# EAGLE board Mk4 Final Panel 8up 2x4 (EAGLE 9.0.1), part 23 of 23
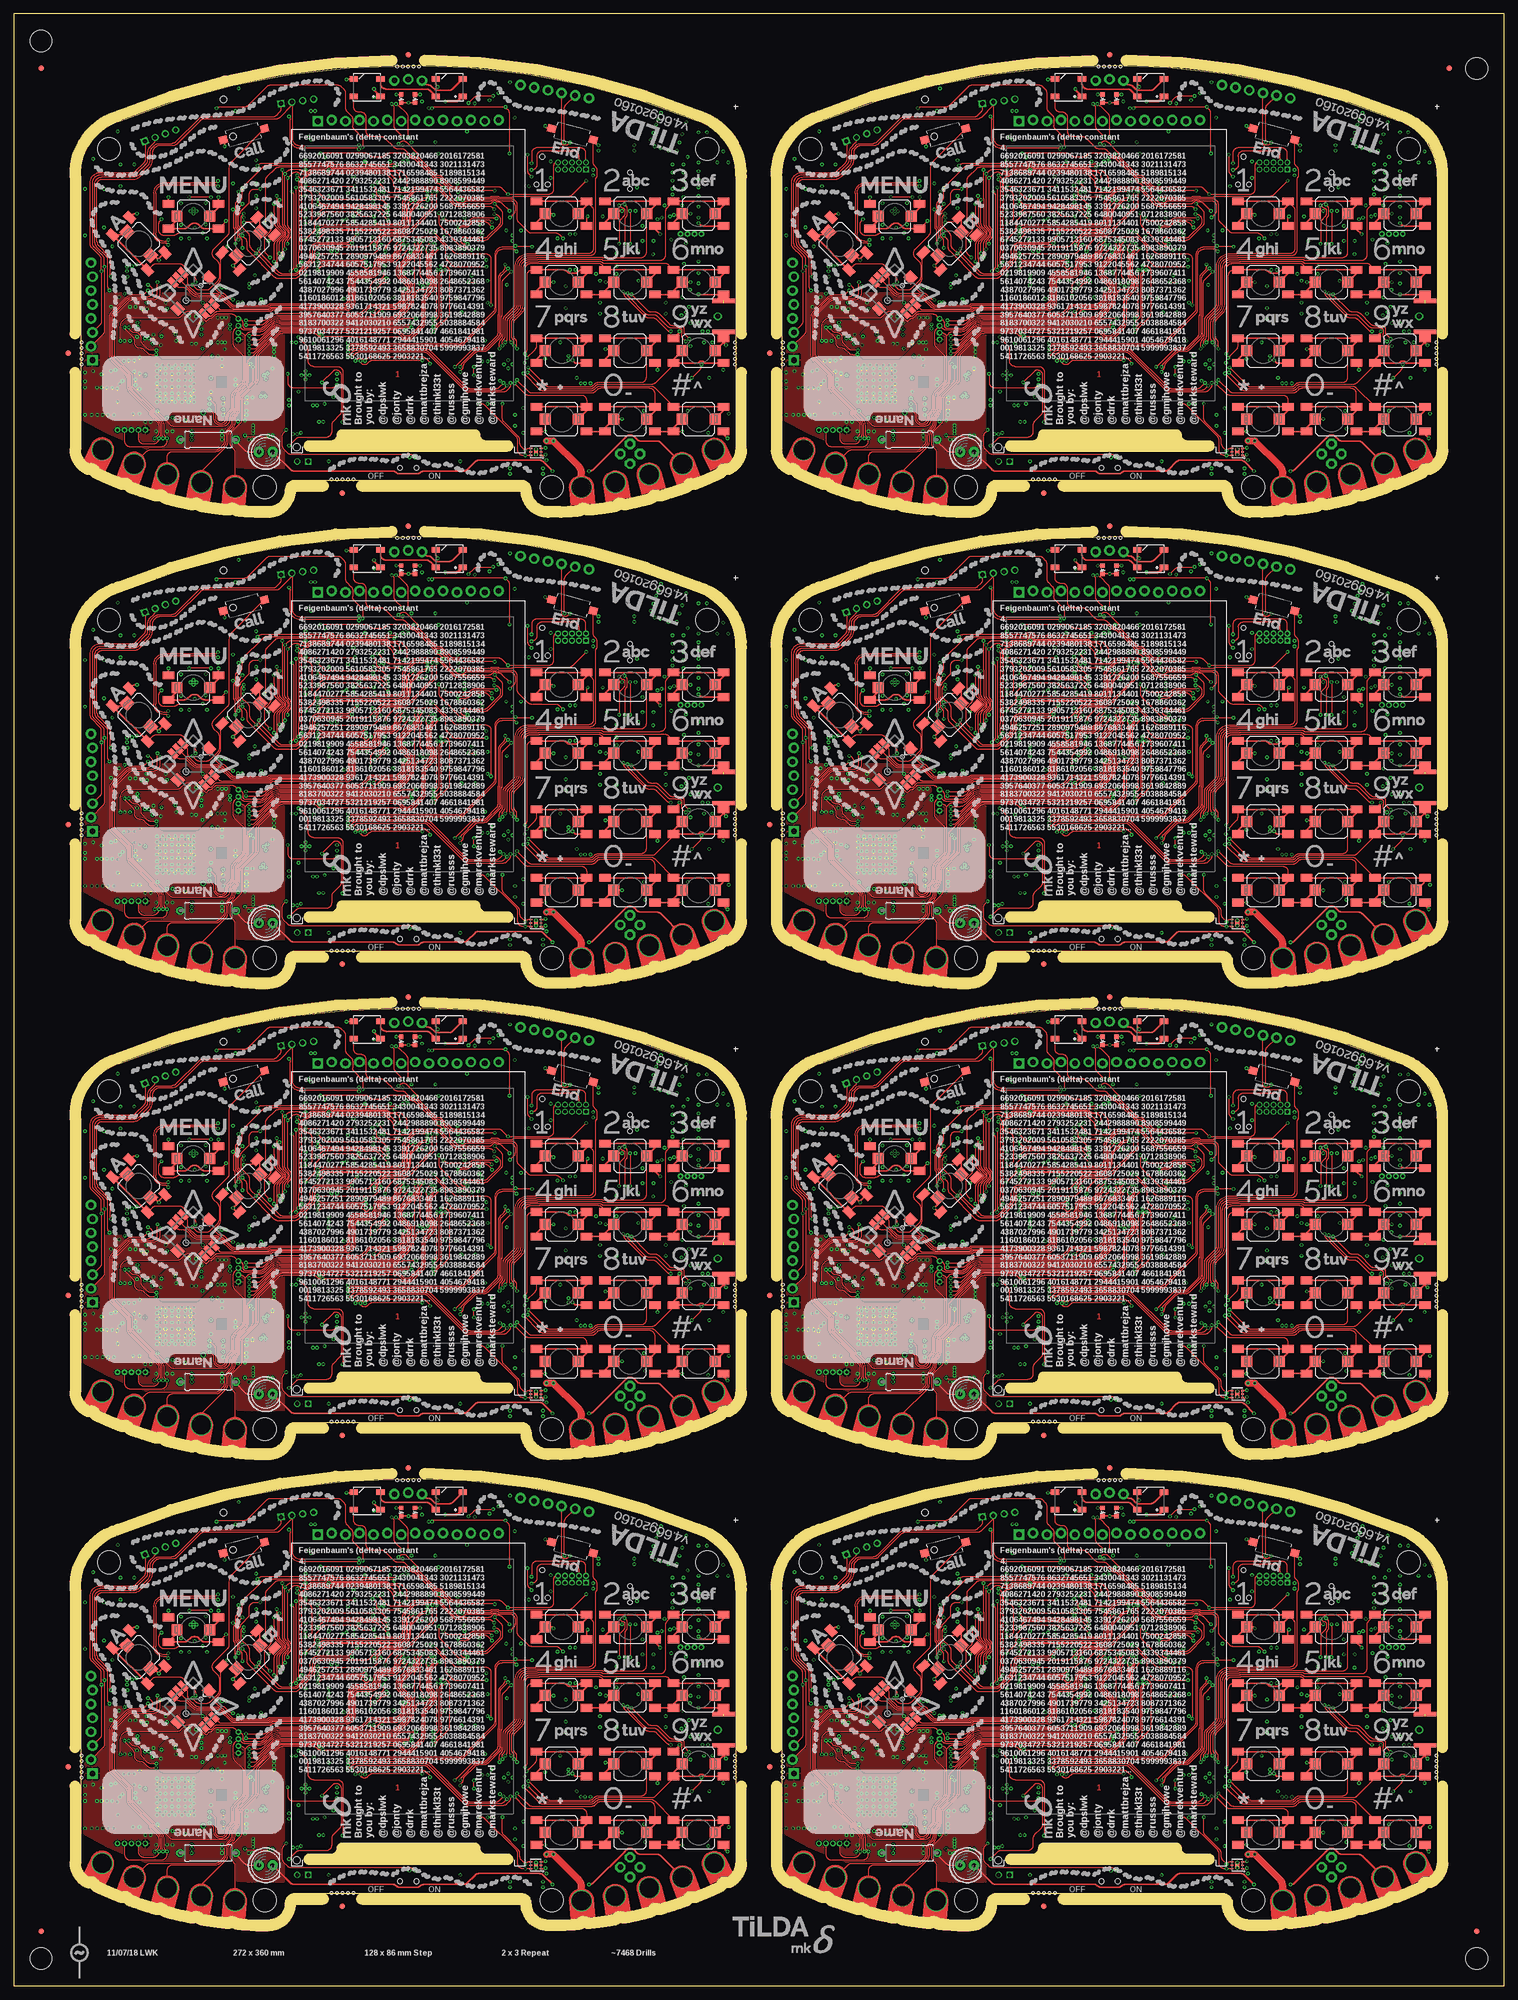
[diagram p0: board, top side]
## Tracks (layer width: path | path; a pad name or v marks a point on that pad's centre or on a via) (continued)
VBATT7  (via drill 0.3) (continued)
  Top 0.5: LED44.1 209.34,344.29 arc-45 208.64,344 v206.75,344 | LED43.1 193.75,346.1 v193.75,346.25
  3V3@2 0.5: 199.25,346.25 204.5,346.25 v206.75,344
  3V3@2 1: JP65.2 200,347 199.25,346.25 v193.75,346.25 175.5,346.25 172.5,343.25 172.5,336 171,334.5 v171,310.65 v171,310.05 | v175.25,283 v174.5,283 174.5,288.41 175.2,289.11 175.2,290.55 172.62,293.12 172.62,294.62 173.5,295.5 v173.5,307.3 173.5,307.5 v173.15,307.85
  Bottom 0.25: IC141.1 170.96,283.35 arc45 170.26,283.06 v170.2,283
  Bottom 0.4: TP148.TP v180.4,283.5
  Bottom 0.5: C759.1 194.62,346.25 v193.75,346.25
  Bottom 1: v171,310.65 v171,310.05 171,310 v173.15,307.85 173.5,307.5 v173.5,307.3
  other vias: 179.75,283.25 179,283.25 233.25,292.5 230.75,293.5 232.25,292.5 231.5,292.5
  pour Bottom (no thermals): 179.35,284.4 180.8,284.4 180.8,283.05 arc-90 180.3,282.55 174.65,282.55 174.65,283.5 178.85,283.5 arc90 179.35,284
  pour Bottom (no thermals): 233.09,292.25 231.25,292.25 arc-90 230.25,293.25 230.25,294 arc-90 231.25,295 241,295 arc90 242,296 242,299.25 arc-90 243,300.25 243.25,300.25 243.5,300.5 243.5,303 245,303 245,300.8 arc-90 244,299.8 243.75,299.8 arc90 242.75,298.8 242.75,294 arc-90 241.75,293 234.66,293 arc45 233.96,292.71 233.79,292.54 arc-45
  pour 3V3@2 (no thermals): 232,295.5 234.5,295.5 235.5,294.5 235.5,293 235,292.5 225.5,292.5 223.5,290.5 182,290.5 180.8,289.4 180.8,283.6 180.3,283 179,283 178.75,283.25 178.75,290.5 180.25,292 222,292 224.5,294.5 231,294.5
  pour Bottom (no thermals): 172.2,283.9 172.2,283.8 172.75,283.8 173.1,283.45 173.1,283.05 arc90 173.6,282.55 174.8,282.55 174.8,283.5 174.15,283.5 173.8,283.85 173,283.85 172.95,283.9
VBUS  (via drill 0.3)
  Top 0.2: v89.75,84.95 76.55,84.95 v76.35,84.75
  Top 0.22: v90.5,76.5 90.5,83.79 arc45 90.21,84.49 v89.75,84.95
  3V3@2 0.2: v57.5,40.75 52.75,40.75 v51.5,42
  3V3@2 0.75: 51,42 51,43.5 54.25,46.75 v54.25,79 v53.75,79.5 | v51.5,42 51,42 | 51,42 v50.75,42 | v54.25,84.25 75.25,84.25 v75.75,84.75 v76.35,84.75
  Bottom 0.15: v89.75,84.95 89.7,85 IC7.5
  Bottom 0.2: LED6.A v57.5,40.75
  Bottom 0.22: IC1.96 78.2,73.5 arc-90 79.2,74.5 89.5,74.5 arc90 90.5,75.5 v90.5,76.5
  Bottom 0.5: TP7.TP v75.75,84.75
  Bottom 0.75: L2.2 v75.75,84.75 | v54.25,79 53.79,79.46 arc-45 53.5,80.16 53.5,83.09 arc-45 53.79,83.79 v54.25,84.25 v55,84.25
  pour Bottom (no thermals): 52.05,37.7 52.05,41.95 51.65,42.35 50.65,42.35 50.25,41.95 50.25,37.8 50.85,37.2 51.6,37.2 51.6,37.7
VBUS1  (via drill 0.3)
  Top 0.2: v217.75,84.95 204.55,84.95 v204.35,84.75
  Top 0.22: v218.5,76.5 218.5,83.79 arc45 218.21,84.49 v217.75,84.95
  3V3@2 0.2: v185.5,40.75 180.75,40.75 v179.5,42
  3V3@2 0.75: 179,42 179,43.5 182.25,46.75 v182.25,79 v181.75,79.5 | v179.5,42 179,42 | 179,42 v178.75,42 | v182.25,84.25 203.25,84.25 v203.75,84.75 v204.35,84.75
  Bottom 0.15: v217.75,84.95 217.7,85 IC23.5
  Bottom 0.2: LED12.A v185.5,40.75
  Bottom 0.22: IC20.96 206.2,73.5 arc-90 207.2,74.5 217.5,74.5 arc90 218.5,75.5 v218.5,76.5
  Bottom 0.5: TP26.TP v203.75,84.75
  Bottom 0.75: L10.2 v203.75,84.75 | v182.25,79 181.79,79.46 arc-45 181.5,80.16 181.5,83.09 arc-45 181.79,83.79 v182.25,84.25 v183,84.25
  pour Bottom (no thermals): 180.05,37.7 180.05,41.95 179.65,42.35 178.65,42.35 178.25,41.95 178.25,37.8 178.85,37.2 179.6,37.2 179.6,37.7
VBUS2  (via drill 0.3)
  Top 0.2: v89.75,170.95 76.55,170.95 v76.35,170.75
  Top 0.22: v90.5,162.5 90.5,169.79 arc45 90.21,170.49 v89.75,170.95
  3V3@2 0.2: v57.5,126.75 52.75,126.75 v51.5,128
  3V3@2 0.75: 51,128 51,129.5 54.25,132.75 v54.25,165 v53.75,165.5 | v51.5,128 51,128 | 51,128 v50.75,128 | v54.25,170.25 75.25,170.25 v75.75,170.75 v76.35,170.75
  Bottom 0.15: v89.75,170.95 89.7,171 IC41.5
  Bottom 0.2: LED18.A v57.5,126.75
  Bottom 0.22: IC38.96 78.2,159.5 arc-90 79.2,160.5 89.5,160.5 arc90 90.5,161.5 v90.5,162.5
  Bottom 0.5: TP45.TP v75.75,170.75
  Bottom 0.75: L19.2 v75.75,170.75 | v54.25,165 53.79,165.46 arc-45 53.5,166.16 53.5,169.09 arc-45 53.79,169.79 v54.25,170.25 v55,170.25
  pour Bottom (no thermals): 52.05,123.7 52.05,127.95 51.65,128.35 50.65,128.35 50.25,127.95 50.25,123.8 50.85,123.2 51.6,123.2 51.6,123.7
VBUS3  (via drill 0.3)
  Top 0.2: v217.75,170.95 204.55,170.95 v204.35,170.75
  Top 0.22: v218.5,162.5 218.5,169.79 arc45 218.21,170.49 v217.75,170.95
  3V3@2 0.2: v185.5,126.75 180.75,126.75 v179.5,128
  3V3@2 0.75: 179,128 179,129.5 182.25,132.75 v182.25,165 v181.75,165.5 | v179.5,128 179,128 | 179,128 v178.75,128 | v182.25,170.25 203.25,170.25 v203.75,170.75 v204.35,170.75
  Bottom 0.15: v217.75,170.95 217.7,171 IC59.5
  Bottom 0.2: LED24.A v185.5,126.75
  Bottom 0.22: IC56.96 206.2,159.5 arc-90 207.2,160.5 217.5,160.5 arc90 218.5,161.5 v218.5,162.5
  Bottom 0.5: TP64.TP v203.75,170.75
  Bottom 0.75: L28.2 v203.75,170.75 | v182.25,165 181.79,165.46 arc-45 181.5,166.16 181.5,169.09 arc-45 181.79,169.79 v182.25,170.25 v183,170.25
  pour Bottom (no thermals): 180.05,123.7 180.05,127.95 179.65,128.35 178.65,128.35 178.25,127.95 178.25,123.8 178.85,123.2 179.6,123.2 179.6,123.7
VBUS4  (via drill 0.3)
  Top 0.2: v89.75,256.95 76.55,256.95 v76.35,256.75
  Top 0.22: v90.5,248.5 90.5,255.79 arc45 90.21,256.49 v89.75,256.95
  3V3@2 0.2: v57.5,212.75 52.75,212.75 v51.5,214
  3V3@2 0.75: 51,214 51,215.5 54.25,218.75 v54.25,251 v53.75,251.5 | v51.5,214 51,214 | 51,214 v50.75,214 | v54.25,256.25 75.25,256.25 v75.75,256.75 v76.35,256.75
  Bottom 0.15: v89.75,256.95 89.7,257 IC77.5
  Bottom 0.2: LED30.A v57.5,212.75
  Bottom 0.22: IC74.96 78.2,245.5 arc-90 79.2,246.5 89.5,246.5 arc90 90.5,247.5 v90.5,248.5
  Bottom 0.5: TP83.TP v75.75,256.75
  Bottom 0.75: L37.2 v75.75,256.75 | v54.25,251 53.79,251.46 arc-45 53.5,252.16 53.5,255.09 arc-45 53.79,255.79 v54.25,256.25 v55,256.25
  pour Bottom (no thermals): 52.05,209.7 52.05,213.95 51.65,214.35 50.65,214.35 50.25,213.95 50.25,209.8 50.85,209.2 51.6,209.2 51.6,209.7
VBUS5  (via drill 0.3)
  Top 0.2: v217.75,256.95 204.55,256.95 v204.35,256.75
  Top 0.22: v218.5,248.5 218.5,255.79 arc45 218.21,256.49 v217.75,256.95
  3V3@2 0.2: v185.5,212.75 180.75,212.75 v179.5,214
  3V3@2 0.75: 179,214 179,215.5 182.25,218.75 v182.25,251 v181.75,251.5 | v179.5,214 179,214 | 179,214 v178.75,214 | v182.25,256.25 203.25,256.25 v203.75,256.75 v204.35,256.75
  Bottom 0.15: v217.75,256.95 217.7,257 IC95.5
  Bottom 0.2: LED36.A v185.5,212.75
  Bottom 0.22: IC92.96 206.2,245.5 arc-90 207.2,246.5 217.5,246.5 arc90 218.5,247.5 v218.5,248.5
  Bottom 0.5: TP102.TP v203.75,256.75
  Bottom 0.75: L46.2 v203.75,256.75 | v182.25,251 181.79,251.46 arc-45 181.5,252.16 181.5,255.09 arc-45 181.79,255.79 v182.25,256.25 v183,256.25
  pour Bottom (no thermals): 180.05,209.7 180.05,213.95 179.65,214.35 178.65,214.35 178.25,213.95 178.25,209.8 178.85,209.2 179.6,209.2 179.6,209.7
VBUS6  (via drill 0.3)
  Top 0.2: v89.75,342.95 76.55,342.95 v76.35,342.75
  Top 0.22: v90.5,334.5 90.5,341.79 arc45 90.21,342.49 v89.75,342.95
  3V3@2 0.2: v57.5,298.75 52.75,298.75 v51.5,300
  3V3@2 0.75: 51,300 51,301.5 54.25,304.75 v54.25,337 v53.75,337.5 | v51.5,300 51,300 | 51,300 v50.75,300 | v54.25,342.25 75.25,342.25 v75.75,342.75 v76.35,342.75
  Bottom 0.15: v89.75,342.95 89.7,343 IC113.5
  Bottom 0.2: LED42.A v57.5,298.75
  Bottom 0.22: IC110.96 78.2,331.5 arc-90 79.2,332.5 89.5,332.5 arc90 90.5,333.5 v90.5,334.5
  Bottom 0.5: TP121.TP v75.75,342.75
  Bottom 0.75: L55.2 v75.75,342.75 | v54.25,337 53.79,337.46 arc-45 53.5,338.16 53.5,341.09 arc-45 53.79,341.79 v54.25,342.25 v55,342.25
  pour Bottom (no thermals): 52.05,295.7 52.05,299.95 51.65,300.35 50.65,300.35 50.25,299.95 50.25,295.8 50.85,295.2 51.6,295.2 51.6,295.7
VBUS7  (via drill 0.3)
  Top 0.2: v217.75,342.95 204.55,342.95 v204.35,342.75
  Top 0.22: v218.5,334.5 218.5,341.79 arc45 218.21,342.49 v217.75,342.95
  3V3@2 0.2: v185.5,298.75 180.75,298.75 v179.5,300
  3V3@2 0.75: 179,300 179,301.5 182.25,304.75 v182.25,337 v181.75,337.5 | v179.5,300 179,300 | 179,300 v178.75,300 | v182.25,342.25 203.25,342.25 v203.75,342.75 v204.35,342.75
  Bottom 0.15: v217.75,342.95 217.7,343 IC131.5
  Bottom 0.2: LED48.A v185.5,298.75
  Bottom 0.22: IC128.96 206.2,331.5 arc-90 207.2,332.5 217.5,332.5 arc90 218.5,333.5 v218.5,334.5
  Bottom 0.5: TP140.TP v203.75,342.75
  Bottom 0.75: L64.2 v203.75,342.75 | v182.25,337 181.79,337.46 arc-45 181.5,338.16 181.5,341.09 arc-45 181.79,341.79 v182.25,342.25 v183,342.25
  pour Bottom (no thermals): 180.05,295.7 180.05,299.95 179.65,300.35 178.65,300.35 178.25,299.95 178.25,295.8 178.85,295.2 179.6,295.2 179.6,295.7
VBUS_L
  Bottom 0.4: U1.VBUS arc-47 L2.1
VBUS_L1
  Bottom 0.4: U2.VBUS arc-47 L10.1
VBUS_L2
  Bottom 0.4: U7.VBUS arc-47 L19.1
VBUS_L3
  Bottom 0.4: U10.VBUS arc-47 L28.1
VBUS_L4
  Bottom 0.4: U13.VBUS arc-47 L37.1
VBUS_L5
  Bottom 0.4: U16.VBUS arc-47 L46.1
VBUS_L6
  Bottom 0.4: U19.VBUS arc-47 L55.1
VBUS_L7
  Bottom 0.4: U22.VBUS arc-47 L64.1
VDD_ANA  (via drill 0.3)
  Bottom 0.2: IC15.48 34.55,38.95
  Bottom 0.25: C44.1 26.1,41.4 26.96,40.54 arc-45 27.25,39.84 IC15.36 | IC15.25 24.91,34.75 arc-45 24.21,35.04 C62.1 v24,36
  Bottom 0.4: 34.55,38.95 arc45 35.03,38.75 C61.1 v36.25,39.5 | C44.1 v25.35,41.75
  Bottom 0.5: C63.1 23.45,45.6 v22.6,45.6 | C63.1 23.5,44.85 v22.6,44.85 | C63.1 L7.1
  pour 3V3@2 (rank 2, no thermals): 36.75,39.75 36.75,39 36.25,38.5 34.5,38.5 33.75,39.5 26.5,39.5 24.5,37.5 24.5,36 24,35.5 23.75,35.5 23.5,35.75 23.5,36.5 23.75,36.75 23.75,39.5 23.25,40 22.5,40 22,40.5 22,44.3 21.7,44.6 21.7,45.5 22.2,46 22.8,46 23.25,45.55 23.25,42.25 23.5,42 25,42 25.25,42.25 27.65,42.25 29.65,40.25 36.25,40.25
VDD_ANA1  (via drill 0.3)
  Bottom 0.2: IC29.48 162.55,38.95
  Bottom 0.25: C190.1 154.1,41.4 154.96,40.54 arc-45 155.25,39.84 IC29.36 | IC29.25 152.91,34.75 arc-45 152.21,35.04 C188.1 v152,36
  Bottom 0.4: 162.55,38.95 arc45 163.03,38.75 C191.1 v164.25,39.5 | C190.1 v153.35,41.75
  Bottom 0.5: C189.1 151.45,45.6 v150.6,45.6 | C189.1 151.5,44.85 v150.6,44.85 | C189.1 L16.1
  pour 3V3@2 (rank 2, no thermals): 164.75,39.75 164.75,39 164.25,38.5 162.5,38.5 161.75,39.5 154.5,39.5 152.5,37.5 152.5,36 152,35.5 151.75,35.5 151.5,35.75 151.5,36.5 151.75,36.75 151.75,39.5 151.25,40 150.5,40 150,40.5 150,44.3 149.7,44.6 149.7,45.5 150.2,46 150.8,46 151.25,45.55 151.25,42.25 151.5,42 153,42 153.25,42.25 155.65,42.25 157.65,40.25 164.25,40.25
VDD_ANA2  (via drill 0.3)
  Bottom 0.2: IC47.48 34.55,124.95
  Bottom 0.25: C298.1 26.1,127.4 26.96,126.54 arc-45 27.25,125.84 IC47.36 | IC47.25 24.91,120.75 arc-45 24.21,121.04 C296.1 v24,122
  Bottom 0.4: 34.55,124.95 arc45 35.03,124.75 C299.1 v36.25,125.5 | C298.1 v25.35,127.75
  Bottom 0.5: C297.1 23.45,131.6 v22.6,131.6 | C297.1 23.5,130.85 v22.6,130.85 | C297.1 L25.1
  pour 3V3@2 (rank 2, no thermals): 36.75,125.75 36.75,125 36.25,124.5 34.5,124.5 33.75,125.5 26.5,125.5 24.5,123.5 24.5,122 24,121.5 23.75,121.5 23.5,121.75 23.5,122.5 23.75,122.75 23.75,125.5 23.25,126 22.5,126 22,126.5 22,130.3 21.7,130.6 21.7,131.5 22.2,132 22.8,132 23.25,131.55 23.25,128.25 23.5,128 25,128 25.25,128.25 27.65,128.25 29.65,126.25 36.25,126.25
VDD_ANA3  (via drill 0.3)
  Bottom 0.2: IC65.48 162.55,124.95
  Bottom 0.25: C406.1 154.1,127.4 154.96,126.54 arc-45 155.25,125.84 IC65.36 | IC65.25 152.91,120.75 arc-45 152.21,121.04 C404.1 v152,122
  Bottom 0.4: 162.55,124.95 arc45 163.03,124.75 C407.1 v164.25,125.5 | C406.1 v153.35,127.75
  Bottom 0.5: C405.1 151.45,131.6 v150.6,131.6 | C405.1 151.5,130.85 v150.6,130.85 | C405.1 L34.1
  pour 3V3@2 (rank 2, no thermals): 164.75,125.75 164.75,125 164.25,124.5 162.5,124.5 161.75,125.5 154.5,125.5 152.5,123.5 152.5,122 152,121.5 151.75,121.5 151.5,121.75 151.5,122.5 151.75,122.75 151.75,125.5 151.25,126 150.5,126 150,126.5 150,130.3 149.7,130.6 149.7,131.5 150.2,132 150.8,132 151.25,131.55 151.25,128.25 151.5,128 153,128 153.25,128.25 155.65,128.25 157.65,126.25 164.25,126.25
VDD_ANA4  (via drill 0.3)
  Bottom 0.2: IC83.48 34.55,210.95
  Bottom 0.25: C514.1 26.1,213.4 26.96,212.54 arc-45 27.25,211.84 IC83.36 | IC83.25 24.91,206.75 arc-45 24.21,207.04 C512.1 v24,208
  Bottom 0.4: 34.55,210.95 arc45 35.03,210.75 C515.1 v36.25,211.5 | C514.1 v25.35,213.75
  Bottom 0.5: C513.1 23.45,217.6 v22.6,217.6 | C513.1 23.5,216.85 v22.6,216.85 | C513.1 L43.1
  pour 3V3@2 (rank 2, no thermals): 36.75,211.75 36.75,211 36.25,210.5 34.5,210.5 33.75,211.5 26.5,211.5 24.5,209.5 24.5,208 24,207.5 23.75,207.5 23.5,207.75 23.5,208.5 23.75,208.75 23.75,211.5 23.25,212 22.5,212 22,212.5 22,216.3 21.7,216.6 21.7,217.5 22.2,218 22.8,218 23.25,217.55 23.25,214.25 23.5,214 25,214 25.25,214.25 27.65,214.25 29.65,212.25 36.25,212.25
VDD_ANA5  (via drill 0.3)
  Bottom 0.2: IC101.48 162.55,210.95
  Bottom 0.25: C622.1 154.1,213.4 154.96,212.54 arc-45 155.25,211.84 IC101.36 | IC101.25 152.91,206.75 arc-45 152.21,207.04 C620.1 v152,208
  Bottom 0.4: 162.55,210.95 arc45 163.03,210.75 C623.1 v164.25,211.5 | C622.1 v153.35,213.75
  Bottom 0.5: C621.1 151.45,217.6 v150.6,217.6 | C621.1 151.5,216.85 v150.6,216.85 | C621.1 L52.1
  pour 3V3@2 (rank 2, no thermals): 164.75,211.75 164.75,211 164.25,210.5 162.5,210.5 161.75,211.5 154.5,211.5 152.5,209.5 152.5,208 152,207.5 151.75,207.5 151.5,207.75 151.5,208.5 151.75,208.75 151.75,211.5 151.25,212 150.5,212 150,212.5 150,216.3 149.7,216.6 149.7,217.5 150.2,218 150.8,218 151.25,217.55 151.25,214.25 151.5,214 153,214 153.25,214.25 155.65,214.25 157.65,212.25 164.25,212.25
VDD_ANA6  (via drill 0.3)
  Bottom 0.2: IC119.48 34.55,296.95
  Bottom 0.25: C730.1 26.1,299.4 26.96,298.54 arc-45 27.25,297.84 IC119.36 | IC119.25 24.91,292.75 arc-45 24.21,293.04 C728.1 v24,294
  Bottom 0.4: 34.55,296.95 arc45 35.03,296.75 C731.1 v36.25,297.5 | C730.1 v25.35,299.75
  Bottom 0.5: C729.1 23.45,303.6 v22.6,303.6 | C729.1 23.5,302.85 v22.6,302.85 | C729.1 L61.1
  pour 3V3@2 (rank 2, no thermals): 36.75,297.75 36.75,297 36.25,296.5 34.5,296.5 33.75,297.5 26.5,297.5 24.5,295.5 24.5,294 24,293.5 23.75,293.5 23.5,293.75 23.5,294.5 23.75,294.75 23.75,297.5 23.25,298 22.5,298 22,298.5 22,302.3 21.7,302.6 21.7,303.5 22.2,304 22.8,304 23.25,303.55 23.25,300.25 23.5,300 25,300 25.25,300.25 27.65,300.25 29.65,298.25 36.25,298.25
VDD_ANA7  (via drill 0.3)
  Bottom 0.2: IC137.48 162.55,296.95
  Bottom 0.25: C838.1 154.1,299.4 154.96,298.54 arc-45 155.25,297.84 IC137.36 | IC137.25 152.91,292.75 arc-45 152.21,293.04 C836.1 v152,294
  Bottom 0.4: 162.55,296.95 arc45 163.03,296.75 C839.1 v164.25,297.5 | C838.1 v153.35,299.75
  Bottom 0.5: C837.1 151.45,303.6 v150.6,303.6 | C837.1 151.5,302.85 v150.6,302.85 | C837.1 L70.1
  pour 3V3@2 (rank 2, no thermals): 164.75,297.75 164.75,297 164.25,296.5 162.5,296.5 161.75,297.5 154.5,297.5 152.5,295.5 152.5,294 152,293.5 151.75,293.5 151.5,293.75 151.5,294.5 151.75,294.75 151.75,297.5 151.25,298 150.5,298 150,298.5 150,302.3 149.7,302.6 149.7,303.5 150.2,304 150.8,304 151.25,303.55 151.25,300.25 151.5,300 153,300 153.25,300.25 155.65,300.25 157.65,298.25 164.25,298.25
VDD_DIG_CC  (via drill 0.3)
  3V3@2 0.5: v29,28.25 29,29 29.5,29.5 33.5,29.5 34.75,30.75 v35.75,30.75
  3V3@2 1: v35.75,30.75 36.25,30.75 37.3,31.8 37.3,32.6 37.8,33.1 39.17,33.1 39.55,33.48 39.55,37.45 39.5,37.5 v39.5,44.5 v39.5,45.25
  Bottom 0.25: C96.1 v35.75,30.75 35.23,31.27 arc-45 35.17,31.41 35.17,31.86 arc45 35.12,32 35.06,32.06 arc-45 35,32.2 35,33.75 arc90 34,34.75 IC15.56 | IC15.9 29.25,28.85 arc-45 v29,28.25 C97.1
  Bottom 0.4: C87.1 38.25,45 38.05,45.2 36.1,45.2 L9.1 | v39.5,45.25 38.6,45.25 C87.1 | v39.5,44.5 38.65,44.5 C87.1
VDD_DIG_CC1  (via drill 0.3)
  3V3@2 0.5: v157,28.25 157,29 157.5,29.5 161.5,29.5 162.75,30.75 v163.75,30.75
  3V3@2 1: v163.75,30.75 164.25,30.75 165.3,31.8 165.3,32.6 165.8,33.1 167.17,33.1 167.55,33.48 167.55,37.45 167.5,37.5 v167.5,44.5 v167.5,45.25
  Bottom 0.25: C204.1 v163.75,30.75 163.23,31.27 arc-45 163.18,31.41 163.18,31.86 arc45 163.12,32 163.06,32.06 arc-45 163,32.2 163,33.75 arc90 162,34.75 IC29.56 | IC29.9 157.25,28.85 arc-45 v157,28.25 C205.1
  Bottom 0.4: C195.1 166.25,45 166.05,45.2 164.1,45.2 L18.1 | v167.5,45.25 166.6,45.25 C195.1 | v167.5,44.5 166.65,44.5 C195.1
VDD_DIG_CC2  (via drill 0.3)
  3V3@2 0.5: v29,114.25 29,115 29.5,115.5 33.5,115.5 34.75,116.75 v35.75,116.75
  3V3@2 1: v35.75,116.75 36.25,116.75 37.3,117.8 37.3,118.6 37.8,119.1 39.17,119.1 39.55,119.48 39.55,123.45 39.5,123.5 v39.5,130.5 v39.5,131.25
  Bottom 0.25: C312.1 v35.75,116.75 35.23,117.27 arc-45 35.17,117.41 35.17,117.86 arc45 35.12,118 35.06,118.06 arc-45 35,118.2 35,119.75 arc90 34,120.75 IC47.56 | IC47.9 29.25,114.85 arc-45 v29,114.25 C313.1
  Bottom 0.4: C303.1 38.25,131 38.05,131.2 36.1,131.2 L27.1 | v39.5,131.25 38.6,131.25 C303.1 | v39.5,130.5 38.65,130.5 C303.1
VDD_DIG_CC3  (via drill 0.3)
  3V3@2 0.5: v157,114.25 157,115 157.5,115.5 161.5,115.5 162.75,116.75 v163.75,116.75
  3V3@2 1: v163.75,116.75 164.25,116.75 165.3,117.8 165.3,118.6 165.8,119.1 167.17,119.1 167.55,119.48 167.55,123.45 167.5,123.5 v167.5,130.5 v167.5,131.25
  Bottom 0.25: C420.1 v163.75,116.75 163.23,117.27 arc-45 163.18,117.41 163.18,117.86 arc45 163.12,118 163.06,118.06 arc-45 163,118.2 163,119.75 arc90 162,120.75 IC65.56 | IC65.9 157.25,114.85 arc-45 v157,114.25 C421.1
  Bottom 0.4: C411.1 166.25,131 166.05,131.2 164.1,131.2 L36.1 | v167.5,131.25 166.6,131.25 C411.1 | v167.5,130.5 166.65,130.5 C411.1
VDD_DIG_CC4  (via drill 0.3)
  3V3@2 0.5: v29,200.25 29,201 29.5,201.5 33.5,201.5 34.75,202.75 v35.75,202.75
  3V3@2 1: v35.75,202.75 36.25,202.75 37.3,203.8 37.3,204.6 37.8,205.1 39.17,205.1 39.55,205.48 39.55,209.45 39.5,209.5 v39.5,216.5 v39.5,217.25
  Bottom 0.25: C528.1 v35.75,202.75 35.23,203.27 arc-45 35.17,203.41 35.17,203.86 arc45 35.12,204 35.06,204.06 arc-45 35,204.2 35,205.75 arc90 34,206.75 IC83.56 | IC83.9 29.25,200.85 arc-45 v29,200.25 C529.1
  Bottom 0.4: C519.1 38.25,217 38.05,217.2 36.1,217.2 L45.1 | v39.5,217.25 38.6,217.25 C519.1 | v39.5,216.5 38.65,216.5 C519.1
VDD_DIG_CC5  (via drill 0.3)
  3V3@2 0.5: v157,200.25 157,201 157.5,201.5 161.5,201.5 162.75,202.75 v163.75,202.75
  3V3@2 1: v163.75,202.75 164.25,202.75 165.3,203.8 165.3,204.6 165.8,205.1 167.17,205.1 167.55,205.48 167.55,209.45 167.5,209.5 v167.5,216.5 v167.5,217.25
  Bottom 0.25: C636.1 v163.75,202.75 163.23,203.27 arc-45 163.18,203.41 163.18,203.86 arc45 163.12,204 163.06,204.06 arc-45 163,204.2 163,205.75 arc90 162,206.75 IC101.56 | IC101.9 157.25,200.85 arc-45 v157,200.25 C637.1
  Bottom 0.4: C627.1 166.25,217 166.05,217.2 164.1,217.2 L54.1 | v167.5,217.25 166.6,217.25 C627.1 | v167.5,216.5 166.65,216.5 C627.1
VDD_DIG_CC6  (via drill 0.3)
  3V3@2 0.5: v29,286.25 29,287 29.5,287.5 33.5,287.5 34.75,288.75 v35.75,288.75
  3V3@2 1: v35.75,288.75 36.25,288.75 37.3,289.8 37.3,290.6 37.8,291.1 39.17,291.1 39.55,291.48 39.55,295.45 39.5,295.5 v39.5,302.5 v39.5,303.25
  Bottom 0.25: C744.1 v35.75,288.75 35.23,289.27 arc-45 35.17,289.41 35.17,289.86 arc45 35.12,290 35.06,290.06 arc-45 35,290.2 35,291.75 arc90 34,292.75 IC119.56 | IC119.9 29.25,286.85 arc-45 v29,286.25 C745.1
  Bottom 0.4: C735.1 38.25,303 38.05,303.2 36.1,303.2 L63.1 | v39.5,303.25 38.6,303.25 C735.1 | v39.5,302.5 38.65,302.5 C735.1
VDD_DIG_CC7  (via drill 0.3)
  3V3@2 0.5: v157,286.25 157,287 157.5,287.5 161.5,287.5 162.75,288.75 v163.75,288.75
  3V3@2 1: v163.75,288.75 164.25,288.75 165.3,289.8 165.3,290.6 165.8,291.1 167.17,291.1 167.55,291.48 167.55,295.45 167.5,295.5 v167.5,302.5 v167.5,303.25
  Bottom 0.25: C852.1 v163.75,288.75 163.23,289.27 arc-45 163.18,289.41 163.18,289.86 arc45 163.12,290 163.06,290.06 arc-45 163,290.2 163,291.75 arc90 162,292.75 IC137.56 | IC137.9 157.25,286.85 arc-45 v157,286.25 C853.1
  Bottom 0.4: C843.1 166.25,303 166.05,303.2 164.1,303.2 L72.1 | v167.5,303.25 166.6,303.25 C843.1 | v167.5,302.5 166.65,302.5 C843.1
VDD_EXT
  Bottom 0.2: R29.1 118,44.5 arc90 117,45.5 111.3,45.5 arc90 110.3,44.5 IC5.40
VDD_EXT1
  Bottom 0.2: R111.1 246,44.5 arc90 245,45.5 239.3,45.5 arc90 238.3,44.5 IC21.40
VDD_EXT2
  Bottom 0.2: R189.1 118,130.5 arc90 117,131.5 111.3,131.5 arc90 110.3,130.5 IC39.40
VDD_EXT3
  Bottom 0.2: R267.1 246,130.5 arc90 245,131.5 239.3,131.5 arc90 238.3,130.5 IC57.40
VDD_EXT4
  Bottom 0.2: R345.1 118,216.5 arc90 117,217.5 111.3,217.5 arc90 110.3,216.5 IC75.40
VDD_EXT5
  Bottom 0.2: R423.1 246,216.5 arc90 245,217.5 239.3,217.5 arc90 238.3,216.5 IC93.40
VDD_EXT6
  Bottom 0.2: R501.1 118,302.5 arc90 117,303.5 111.3,303.5 arc90 110.3,302.5 IC111.40
VDD_EXT7
  Bottom 0.2: R579.1 246,302.5 arc90 245,303.5 239.3,303.5 arc90 238.3,302.5 IC129.40
VDD_PA  (via drill 0.3)
  Bottom 0.25: IC15.42 30.25,40 arc-45 30.54,40.71 31.16,41.32 arc45 31.45,42.03 31.45,43.24 arc-45 31.6,43.6 31.88,43.88 C85.1 | IC15.33 25.65,39.05
  Bottom 0.4: C85.1 C84.1 | C84.1 33.77,44.4 v34.25,44.4 | C84.1 33.73,43.4 v34.25,43.4 | C86.1 24.96,41.17 arc-45 25.25,40.46 25.25,39.86 arc45 25.54,39.16 25.65,39.05 | 24.7,41.95 24.7,42.08 | C86.1 24.7,42.08 | 24.7,42.08 v24.7,42.75 | v23.95,42.75 23.95,42.59 arc45 24.24,41.88 C86.1
  pour 3V3@2 (no thermals): 25,43.5 25,42.5 24.75,42.25 23.75,42.25 23.5,42.5 23.5,44.5 25,46 30.5,46 31.5,45 34.25,45 34.75,44.5 34.75,43.5 34.25,43 31,43 30,44 25.5,44
VDD_PA1  (via drill 0.3)
  Bottom 0.25: IC29.42 158.25,40 arc-45 158.54,40.71 159.16,41.32 arc45 159.45,42.03 159.45,43.24 arc-45 159.6,43.6 159.88,43.88 C194.1 | IC29.33 153.65,39.05
  Bottom 0.4: C194.1 C193.1 | C193.1 161.78,44.4 v162.25,44.4 | C193.1 161.72,43.4 v162.25,43.4 | C192.1 152.96,41.17 arc-45 153.25,40.46 153.25,39.86 arc45 153.54,39.16 153.65,39.05 | 152.7,41.95 152.7,42.08 | C192.1 152.7,42.08 | 152.7,42.08 v152.7,42.75 | v151.95,42.75 151.95,42.59 arc45 152.24,41.88 C192.1
  pour 3V3@2 (no thermals): 153,43.5 153,42.5 152.75,42.25 151.75,42.25 151.5,42.5 151.5,44.5 153,46 158.5,46 159.5,45 162.25,45 162.75,44.5 162.75,43.5 162.25,43 159,43 158,44 153.5,44
VDD_PA2  (via drill 0.3)
  Bottom 0.25: IC47.42 30.25,126 arc-45 30.54,126.71 31.16,127.32 arc45 31.45,128.03 31.45,129.24 arc-45 31.6,129.6 31.88,129.88 C302.1 | IC47.33 25.65,125.05
  Bottom 0.4: C302.1 C301.1 | C301.1 33.77,130.4 v34.25,130.4 | C301.1 33.73,129.4 v34.25,129.4 | C300.1 24.96,127.17 arc-45 25.25,126.46 25.25,125.86 arc45 25.54,125.16 25.65,125.05 | 24.7,127.95 24.7,128.07 | C300.1 24.7,128.07 | 24.7,128.07 v24.7,128.75 | v23.95,128.75 23.95,128.59 arc45 24.24,127.88 C300.1
  pour 3V3@2 (no thermals): 25,129.5 25,128.5 24.75,128.25 23.75,128.25 23.5,128.5 23.5,130.5 25,132 30.5,132 31.5,131 34.25,131 34.75,130.5 34.75,129.5 34.25,129 31,129 30,130 25.5,130
VDD_PA3  (via drill 0.3)
  Bottom 0.25: IC65.42 158.25,126 arc-45 158.54,126.71 159.16,127.32 arc45 159.45,128.03 159.45,129.24 arc-45 159.6,129.6 159.88,129.88 C410.1 | IC65.33 153.65,125.05
  Bottom 0.4: C410.1 C409.1 | C409.1 161.78,130.4 v162.25,130.4 | C409.1 161.72,129.4 v162.25,129.4 | C408.1 152.96,127.17 arc-45 153.25,126.46 153.25,125.86 arc45 153.54,125.16 153.65,125.05 | 152.7,127.95 152.7,128.07 | C408.1 152.7,128.07 | 152.7,128.07 v152.7,128.75 | v151.95,128.75 151.95,128.59 arc45 152.24,127.88 C408.1
  pour 3V3@2 (no thermals): 153,129.5 153,128.5 152.75,128.25 151.75,128.25 151.5,128.5 151.5,130.5 153,132 158.5,132 159.5,131 162.25,131 162.75,130.5 162.75,129.5 162.25,129 159,129 158,130 153.5,130
VDD_PA4  (via drill 0.3)
  Bottom 0.25: IC83.42 30.25,212 arc-45 30.54,212.71 31.16,213.32 arc45 31.45,214.03 31.45,215.24 arc-45 31.6,215.6 31.88,215.88 C518.1 | IC83.33 25.65,211.05
  Bottom 0.4: C518.1 C517.1 | C517.1 33.77,216.4 v34.25,216.4 | C517.1 33.73,215.4 v34.25,215.4 | C516.1 24.96,213.17 arc-45 25.25,212.46 25.25,211.86 arc45 25.54,211.16 25.65,211.05 | 24.7,213.95 24.7,214.07 | C516.1 24.7,214.07 | 24.7,214.07 v24.7,214.75 | v23.95,214.75 23.95,214.59 arc45 24.24,213.88 C516.1
  pour 3V3@2 (no thermals): 25,215.5 25,214.5 24.75,214.25 23.75,214.25 23.5,214.5 23.5,216.5 25,218 30.5,218 31.5,217 34.25,217 34.75,216.5 34.75,215.5 34.25,215 31,215 30,216 25.5,216
VDD_PA5  (via drill 0.3)
  Bottom 0.25: IC101.42 158.25,212 arc-45 158.54,212.71 159.16,213.32 arc45 159.45,214.03 159.45,215.24 arc-45 159.6,215.6 159.88,215.88 C626.1 | IC101.33 153.65,211.05
  Bottom 0.4: C626.1 C625.1 | C625.1 161.78,216.4 v162.25,216.4 | C625.1 161.72,215.4 v162.25,215.4 | C624.1 152.96,213.17 arc-45 153.25,212.46 153.25,211.86 arc45 153.54,211.16 153.65,211.05 | 152.7,213.95 152.7,214.07 | C624.1 152.7,214.07 | 152.7,214.07 v152.7,214.75 | v151.95,214.75 151.95,214.59 arc45 152.24,213.88 C624.1
  pour 3V3@2 (no thermals): 153,215.5 153,214.5 152.75,214.25 151.75,214.25 151.5,214.5 151.5,216.5 153,218 158.5,218 159.5,217 162.25,217 162.75,216.5 162.75,215.5 162.25,215 159,215 158,216 153.5,216
VDD_PA6  (via drill 0.3)
  Bottom 0.25: IC119.42 30.25,298 arc-45 30.54,298.71 31.16,299.32 arc45 31.45,300.03 31.45,301.24 arc-45 31.6,301.6 31.88,301.88 C734.1 | IC119.33 25.65,297.05